# Altium PCB STB_LightBoard.PcbDoc (part 3 of 31)
Units mm, origin at the board's own origin, x right, y up, seen from the top; angles counter-clockwise.
Board outline 348 x 348 mm, 2 copper layers (Top Layer, Bottom Layer), stack 1.672 mm thick; 3807 components, 3391 nets, 11616 pads, 2553 vias.
Unrouted connection lines stored in the file: 68.
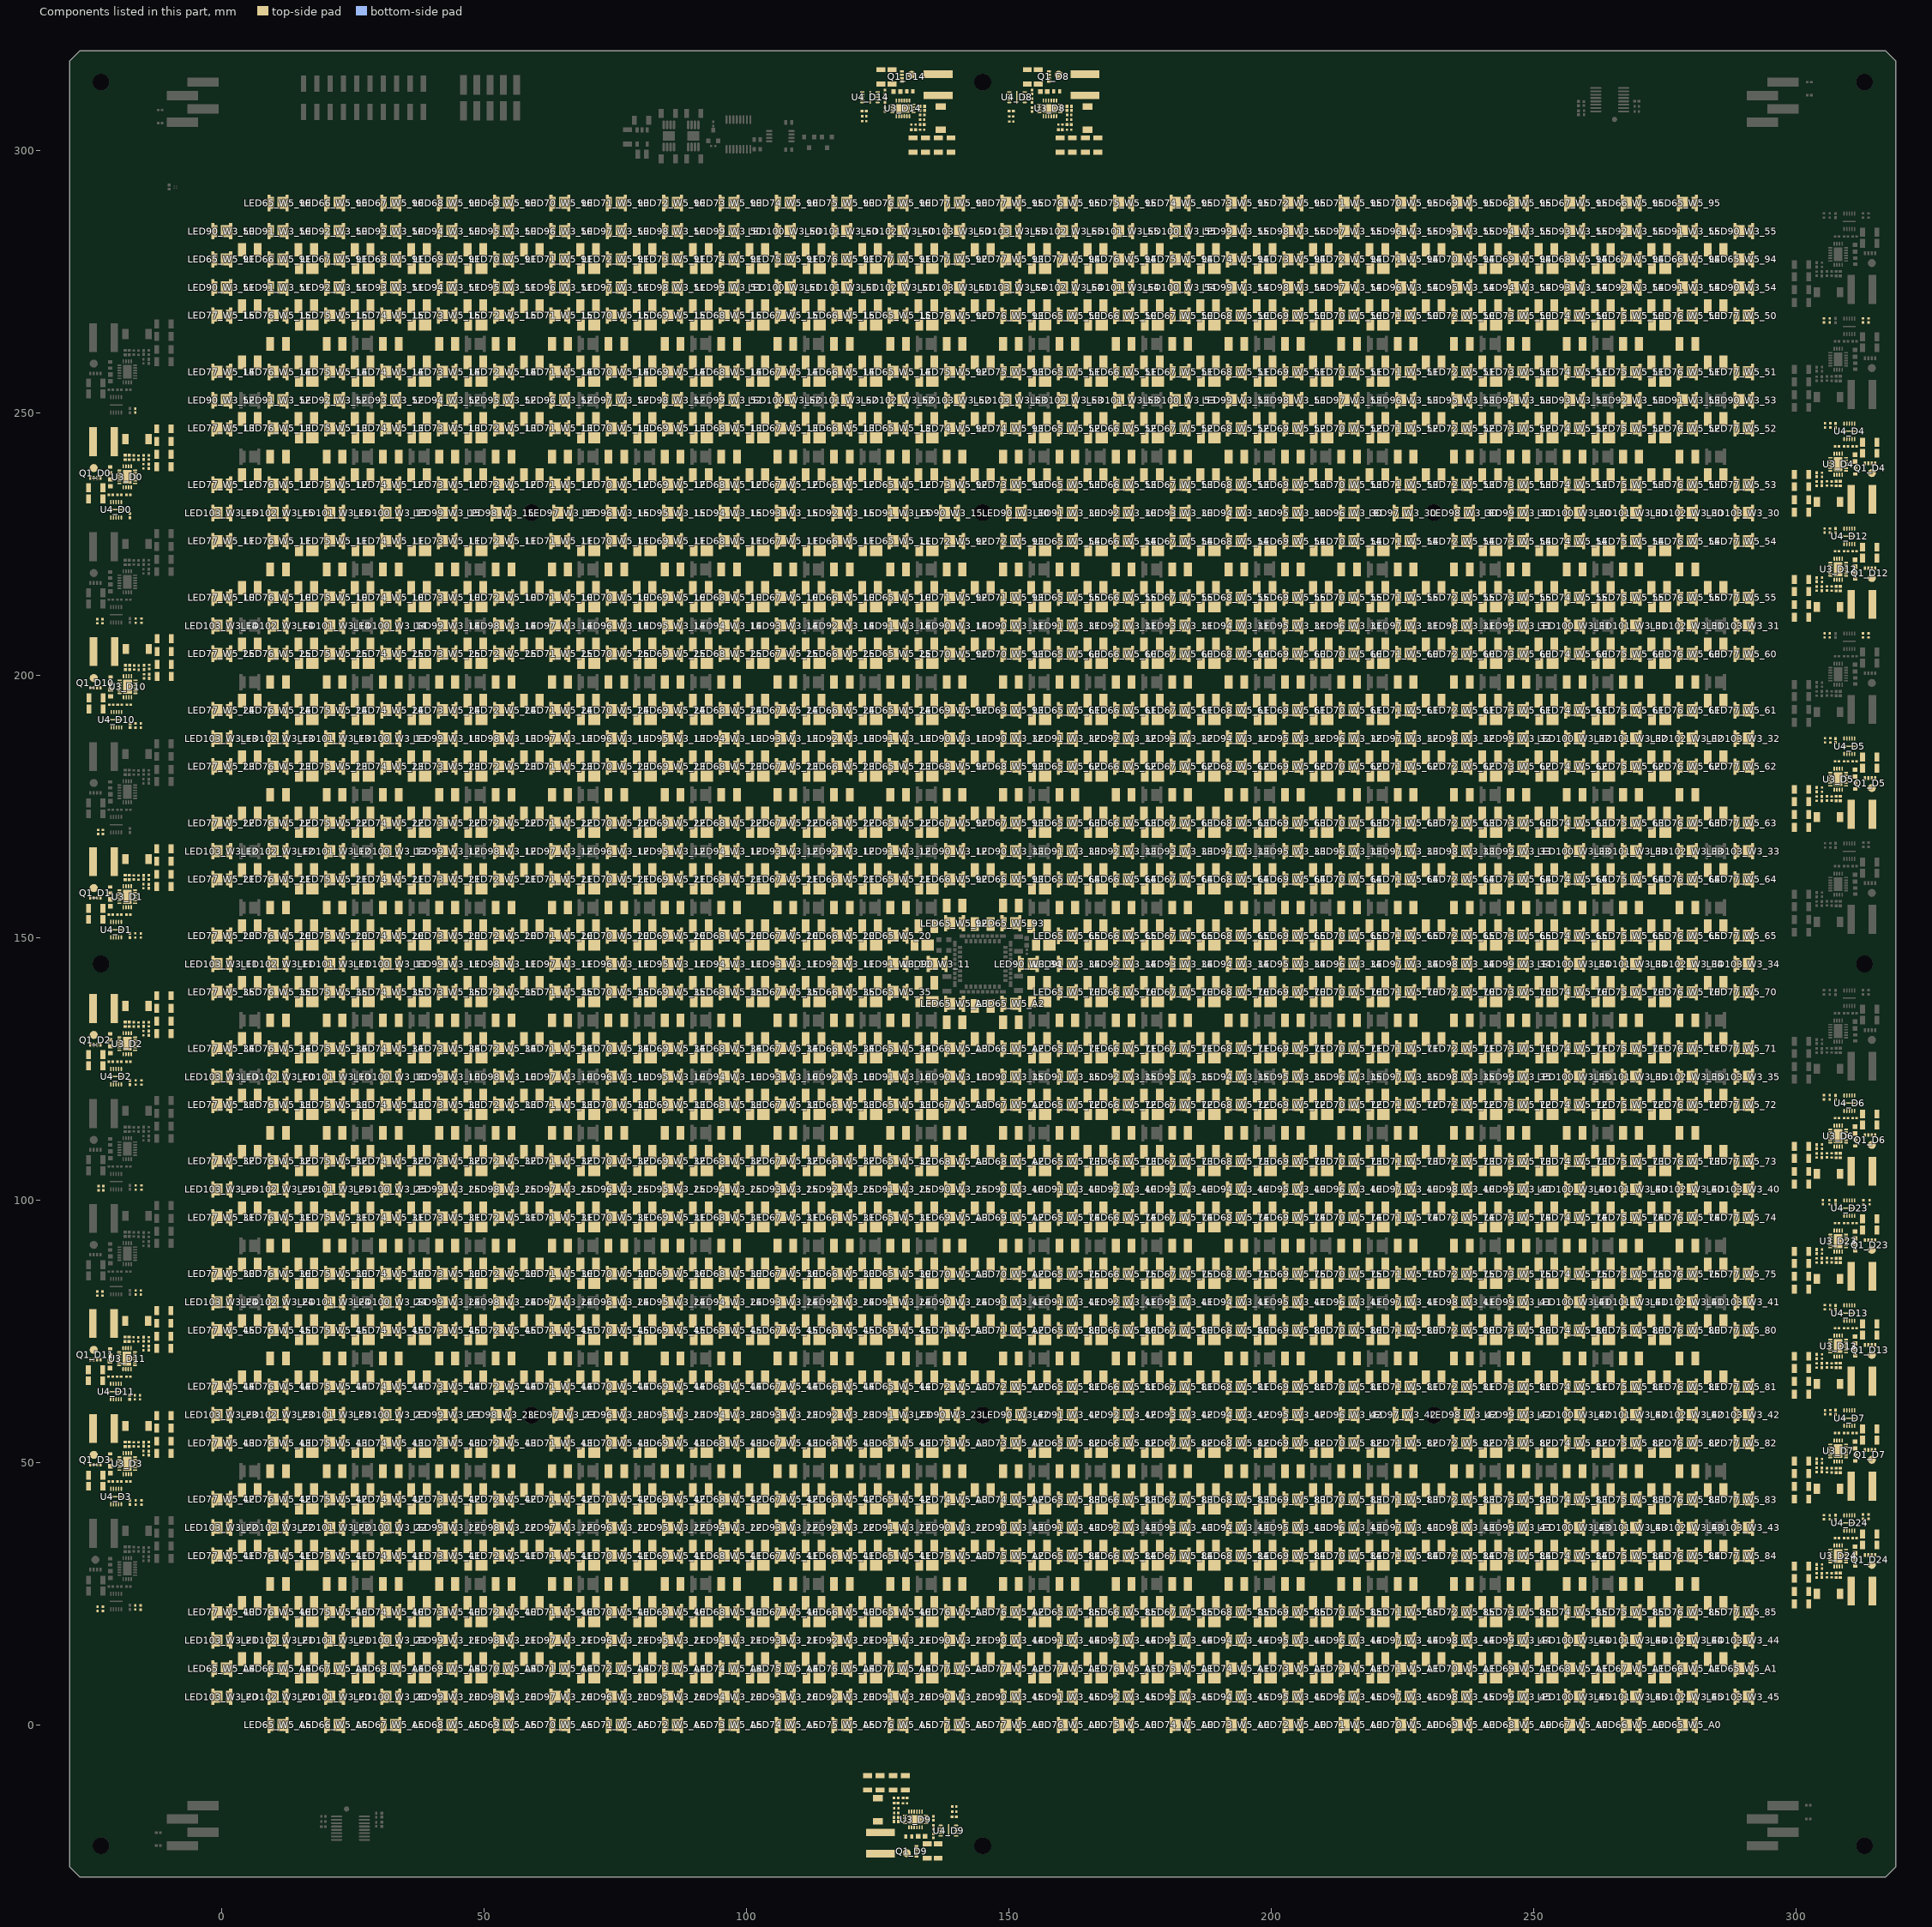
[diagram p3: the components of this part, seen from the top]

## Classes and differential pairs (continued)
net class LED: NetLED121_IR850_25_1 NetLED122_IR850_10_1 NetLED122_IR850_11_1 NetLED122_IR850_12_1 NetLED122_IR850_13_1 NetLED122_IR850_14_1 NetLED122_IR850_15_1 NetLED122_IR850_20_1 NetLED122_IR850_21_1 NetLED122_IR850_22_1 NetLED122_IR850_23_1 NetLED122_IR850_24_1 NetLED122_IR850_25_1 NetLED123_IR850_10_1 NetLED123_IR850_11_1 NetLED123_IR850_12_1 NetLED123_IR850_13_1 NetLED123_IR850_14_1 NetLED123_IR850_15_1 NetLED123_IR850_20_1 NetLED123_IR850_21_1 NetLED123_IR850_22_1 NetLED123_IR850_23_1 NetLED123_IR850_24_1 NetLED123_IR850_25_1 NetLED124_IR850_10_1 NetLED124_IR850_11_1 NetLED124_IR850_12_1 NetLED124_IR850_13_1 NetLED124_IR850_14_1 NetLED124_IR850_15_1 NetLED124_IR850_20_1 NetLED124_IR850_21_1 NetLED124_IR850_22_1 NetLED124_IR850_23_1 NetLED124_IR850_24_1 NetLED124_IR850_25_1 NetLED126_IR850_10_1 NetLED126_IR850_11_1 NetLED126_IR850_12_1 NetLED126_IR850_13_1 NetLED126_IR850_14_1 NetLED126_IR850_15_1 NetLED126_IR850_20_1 NetLED126_IR850_21_1 NetLED126_IR850_22_1 NetLED126_IR850_23_1 NetLED126_IR850_24_1 NetLED126_IR850_25_1 NetLED127_IR850_10_1 NetLED127_IR850_11_1 NetLED127_IR850_12_1 NetLED127_IR850_13_1 NetLED127_IR850_14_1 NetLED127_IR850_15_1 NetLED127_IR850_20_1 NetLED127_IR850_21_1 NetLED127_IR850_22_1 NetLED127_IR850_23_1 NetLED127_IR850_24_1 NetLED127_IR850_25_1 NetLED128_IR850_10_1 NetLED128_IR850_11_1 NetLED128_IR850_12_1 NetLED128_IR850_13_1 NetLED128_IR850_14_1 NetLED128_IR850_15_1 NetLED128_IR850_20_1 NetLED128_IR850_21_1 NetLED128_IR850_22_1 NetLED128_IR850_23_1 NetLED128_IR850_24_1 NetLED128_IR850_25_1 NetLED130_r_10_1 NetLED130_r_11_1 NetLED130_r_12_1 NetLED130_r_13_1 NetLED130_r_14_1 NetLED130_r_15_1 NetLED131_r_10_1 NetLED131_r_11_1 NetLED131_r_12_1 NetLED131_r_13_1 NetLED131_r_14_1 NetLED131_r_15_1 NetLED132_r_10_1 NetLED132_r_11_1 NetLED132_r_12_1 NetLED132_r_13_1 NetLED132_r_14_1 NetLED132_r_15_1 NetLED133_r_10_1 NetLED133_r_11_1 NetLED133_r_12_1 NetLED133_r_13_1 NetLED133_r_14_1 NetLED133_r_15_1 NetLED135_b_10_1 NetLED135_b_11_1 NetLED135_b_12_1 NetLED135_b_13_1 NetLED135_b_14_1 NetLED135_b_15_1 NetLED136_b_10_1 NetLED136_b_11_1 NetLED136_b_12_1 NetLED136_b_13_1 NetLED136_b_14_1 NetLED136_b_15_1 NetLED137_b_10_1 NetLED137_b_11_1 NetLED137_b_12_1 NetLED137_b_13_1 NetLED137_b_14_1 NetLED137_b_15_1 NetLED138_b_10_1 NetLED138_b_11_1 NetLED138_b_12_1 NetLED138_b_13_1 NetLED138_b_14_1 NetLED138_b_15_1 NetLED139_b_10_1 NetLED139_b_11_1 NetLED139_b_12_1 NetLED139_b_13_1 NetLED139_b_14_1 NetLED139_b_15_1 NetLED140_b_10_1 NetLED140_b_11_1 NetLED140_b_12_1 NetLED140_b_13_1 NetLED140_b_14_1 NetLED140_b_15_1 NetLED141_b_10_1 NetLED141_b_11_1 NetLED141_b_12_1 NetLED141_b_13_1 NetLED141_b_14_1 NetLED141_b_15_1 NetLED142_b_10_1 NetLED142_b_11_1 NetLED142_b_12_1 NetLED142_b_13_1 NetLED142_b_14_1 NetLED142_b_15_1 NetLED143_b_10_1 NetLED143_b_11_1 NetLED143_b_12_1 NetLED143_b_13_1 NetLED143_b_14_1 NetLED143_b_15_1 NetLED144_b_10_1 NetLED144_b_11_1 NetLED144_b_12_1 NetLED144_b_13_1 NetLED144_b_14_1 NetLED144_b_15_1 NetLED145_b_10_1 NetLED145_b_11_1 NetLED145_b_12_1 NetLED145_b_13_1 NetLED145_b_14_1 NetLED145_b_15_1 NetLED146_b_10_1 NetLED146_b_11_1 NetLED146_b_12_1 NetLED146_b_13_1 NetLED146_b_14_1 NetLED146_b_15_1 NetLED147_b_10_1 NetLED147_b_11_1 NetLED147_b_12_1 NetLED147_b_13_1 NetLED147_b_14_1 NetLED147_b_15_1
component class W5_65: LED65_W5_65 LED66_W5_65 LED67_W5_65 LED68_W5_65 LED69_W5_65 LED70_W5_65 LED71_W5_65 LED72_W5_65 LED73_W5_65 LED74_W5_65 LED75_W5_65 LED76_W5_65 LED77_W5_65
channel class LED_String_NF2W757GT-F1: W5_10 W5_11 W5_12 W5_13 W5_14 W5_15 W5_20 W5_21 W5_22 W5_23 W5_24 W5_25 W5_30 W5_31 W5_32 W5_33 W5_34 W5_35 W5_40 W5_41 W5_42 W5_43 W5_44 W5_45 W5_50 W5_51 W5_52 W5_53 W5_54 W5_55 W5_60 W5_61 W5_62 W5_63 W5_64 W5_65 W5_70 W5_71 W5_72 W5_73 W5_74 W5_75 W5_80 W5_81 W5_82 W5_83 W5_84 W5_85 W5_90 W5_91 W5_92 W5_93 W5_94 W5_95 W5_A0 W5_A1 W5_A2 W5_A3 W5_A4 W5_A5
channel class LED_String_NF2L757GT-F1: W3_10 W3_11 W3_12 W3_13 W3_14 W3_15 W3_20 W3_21 W3_22 W3_23 W3_24 W3_25 W3_30 W3_31 W3_32 W3_33 W3_34 W3_35 W3_40 W3_41 W3_42 W3_43 W3_44 W3_45 W3_50 W3_51 W3_52 W3_53 W3_54 W3_55
component class W5_A5: LED65_W5_A5 LED66_W5_A5 LED67_W5_A5 LED68_W5_A5 LED69_W5_A5 LED70_W5_A5 LED71_W5_A5 LED72_W5_A5 LED73_W5_A5 LED74_W5_A5 LED75_W5_A5 LED76_W5_A5 LED77_W5_A5
component class W5_A4: LED65_W5_A4 LED66_W5_A4 LED67_W5_A4 LED68_W5_A4 LED69_W5_A4 LED70_W5_A4 LED71_W5_A4 LED72_W5_A4 LED73_W5_A4 LED74_W5_A4 LED75_W5_A4 LED76_W5_A4 LED77_W5_A4
component class W5_A3: LED65_W5_A3 LED66_W5_A3 LED67_W5_A3 LED68_W5_A3 LED69_W5_A3 LED70_W5_A3 LED71_W5_A3 LED72_W5_A3 LED73_W5_A3 LED74_W5_A3 LED75_W5_A3 LED76_W5_A3 LED77_W5_A3
component class W5_A2: LED65_W5_A2 LED66_W5_A2 LED67_W5_A2 LED68_W5_A2 LED69_W5_A2 LED70_W5_A2 LED71_W5_A2 LED72_W5_A2 LED73_W5_A2 LED74_W5_A2 LED75_W5_A2 LED76_W5_A2 LED77_W5_A2
component class W5_A1: LED65_W5_A1 LED66_W5_A1 LED67_W5_A1 LED68_W5_A1 LED69_W5_A1 LED70_W5_A1 LED71_W5_A1 LED72_W5_A1 LED73_W5_A1 LED74_W5_A1 LED75_W5_A1 LED76_W5_A1 LED77_W5_A1
component class W5_A0: LED65_W5_A0 LED66_W5_A0 LED67_W5_A0 LED68_W5_A0 LED69_W5_A0 LED70_W5_A0 LED71_W5_A0 LED72_W5_A0 LED73_W5_A0 LED74_W5_A0 LED75_W5_A0 LED76_W5_A0 LED77_W5_A0
component class W5_15: LED65_W5_15 LED66_W5_15 LED67_W5_15 LED68_W5_15 LED69_W5_15 LED70_W5_15 LED71_W5_15 LED72_W5_15 LED73_W5_15 LED74_W5_15 LED75_W5_15 LED76_W5_15 LED77_W5_15
component class W5_95: LED65_W5_95 LED66_W5_95 LED67_W5_95 LED68_W5_95 LED69_W5_95 LED70_W5_95 LED71_W5_95 LED72_W5_95 LED73_W5_95 LED74_W5_95 LED75_W5_95 LED76_W5_95 LED77_W5_95
component class W5_94: LED65_W5_94 LED66_W5_94 LED67_W5_94 LED68_W5_94 LED69_W5_94 LED70_W5_94 LED71_W5_94 LED72_W5_94 LED73_W5_94 LED74_W5_94 LED75_W5_94 LED76_W5_94 LED77_W5_94
component class W5_93: LED65_W5_93 LED66_W5_93 LED67_W5_93 LED68_W5_93 LED69_W5_93 LED70_W5_93 LED71_W5_93 LED72_W5_93 LED73_W5_93 LED74_W5_93 LED75_W5_93 LED76_W5_93 LED77_W5_93
component class W5_92: LED65_W5_92 LED66_W5_92 LED67_W5_92 LED68_W5_92 LED69_W5_92 LED70_W5_92 LED71_W5_92 LED72_W5_92 LED73_W5_92 LED74_W5_92 LED75_W5_92 LED76_W5_92 LED77_W5_92
component class W5_91: LED65_W5_91 LED66_W5_91 LED67_W5_91 LED68_W5_91 LED69_W5_91 LED70_W5_91 LED71_W5_91 LED72_W5_91 LED73_W5_91 LED74_W5_91 LED75_W5_91 LED76_W5_91 LED77_W5_91
component class W5_90: LED65_W5_90 LED66_W5_90 LED67_W5_90 LED68_W5_90 LED69_W5_90 LED70_W5_90 LED71_W5_90 LED72_W5_90 LED73_W5_90 LED74_W5_90 LED75_W5_90 LED76_W5_90 LED77_W5_90
component class W5_85: LED65_W5_85 LED66_W5_85 LED67_W5_85 LED68_W5_85 LED69_W5_85 LED70_W5_85 LED71_W5_85 LED72_W5_85 LED73_W5_85 LED74_W5_85 LED75_W5_85 LED76_W5_85 LED77_W5_85
component class W5_84: LED65_W5_84 LED66_W5_84 LED67_W5_84 LED68_W5_84 LED69_W5_84 LED70_W5_84 LED71_W5_84 LED72_W5_84 LED73_W5_84 LED74_W5_84 LED75_W5_84 LED76_W5_84 LED77_W5_84
component class W5_83: LED65_W5_83 LED66_W5_83 LED67_W5_83 LED68_W5_83 LED69_W5_83 LED70_W5_83 LED71_W5_83 LED72_W5_83 LED73_W5_83 LED74_W5_83 LED75_W5_83 LED76_W5_83 LED77_W5_83
component class W5_82: LED65_W5_82 LED66_W5_82 LED67_W5_82 LED68_W5_82 LED69_W5_82 LED70_W5_82 LED71_W5_82 LED72_W5_82 LED73_W5_82 LED74_W5_82 LED75_W5_82 LED76_W5_82 LED77_W5_82
component class W5_81: LED65_W5_81 LED66_W5_81 LED67_W5_81 LED68_W5_81 LED69_W5_81 LED70_W5_81 LED71_W5_81 LED72_W5_81 LED73_W5_81 LED74_W5_81 LED75_W5_81 LED76_W5_81 LED77_W5_81
component class W5_80: LED65_W5_80 LED66_W5_80 LED67_W5_80 LED68_W5_80 LED69_W5_80 LED70_W5_80 LED71_W5_80 LED72_W5_80 LED73_W5_80 LED74_W5_80 LED75_W5_80 LED76_W5_80 LED77_W5_80
component class W5_75: LED65_W5_75 LED66_W5_75 LED67_W5_75 LED68_W5_75 LED69_W5_75 LED70_W5_75 LED71_W5_75 LED72_W5_75 LED73_W5_75 LED74_W5_75 LED75_W5_75 LED76_W5_75 LED77_W5_75
component class W5_74: LED65_W5_74 LED66_W5_74 LED67_W5_74 LED68_W5_74 LED69_W5_74 LED70_W5_74 LED71_W5_74 LED72_W5_74 LED73_W5_74 LED74_W5_74 LED75_W5_74 LED76_W5_74 LED77_W5_74
component class W5_73: LED65_W5_73 LED66_W5_73 LED67_W5_73 LED68_W5_73 LED69_W5_73 LED70_W5_73 LED71_W5_73 LED72_W5_73 LED73_W5_73 LED74_W5_73 LED75_W5_73 LED76_W5_73 LED77_W5_73
component class W5_72: LED65_W5_72 LED66_W5_72 LED67_W5_72 LED68_W5_72 LED69_W5_72 LED70_W5_72 LED71_W5_72 LED72_W5_72 LED73_W5_72 LED74_W5_72 LED75_W5_72 LED76_W5_72 LED77_W5_72
component class W5_71: LED65_W5_71 LED66_W5_71 LED67_W5_71 LED68_W5_71 LED69_W5_71 LED70_W5_71 LED71_W5_71 LED72_W5_71 LED73_W5_71 LED74_W5_71 LED75_W5_71 LED76_W5_71 LED77_W5_71
component class W5_70: LED65_W5_70 LED66_W5_70 LED67_W5_70 LED68_W5_70 LED69_W5_70 LED70_W5_70 LED71_W5_70 LED72_W5_70 LED73_W5_70 LED74_W5_70 LED75_W5_70 LED76_W5_70 LED77_W5_70
component class W5_64: LED65_W5_64 LED66_W5_64 LED67_W5_64 LED68_W5_64 LED69_W5_64 LED70_W5_64 LED71_W5_64 LED72_W5_64 LED73_W5_64 LED74_W5_64 LED75_W5_64 LED76_W5_64 LED77_W5_64
component class W5_63: LED65_W5_63 LED66_W5_63 LED67_W5_63 LED68_W5_63 LED69_W5_63 LED70_W5_63 LED71_W5_63 LED72_W5_63 LED73_W5_63 LED74_W5_63 LED75_W5_63 LED76_W5_63 LED77_W5_63
component class W5_62: LED65_W5_62 LED66_W5_62 LED67_W5_62 LED68_W5_62 LED69_W5_62 LED70_W5_62 LED71_W5_62 LED72_W5_62 LED73_W5_62 LED74_W5_62 LED75_W5_62 LED76_W5_62 LED77_W5_62
component class W5_61: LED65_W5_61 LED66_W5_61 LED67_W5_61 LED68_W5_61 LED69_W5_61 LED70_W5_61 LED71_W5_61 LED72_W5_61 LED73_W5_61 LED74_W5_61 LED75_W5_61 LED76_W5_61 LED77_W5_61
component class W5_60: LED65_W5_60 LED66_W5_60 LED67_W5_60 LED68_W5_60 LED69_W5_60 LED70_W5_60 LED71_W5_60 LED72_W5_60 LED73_W5_60 LED74_W5_60 LED75_W5_60 LED76_W5_60 LED77_W5_60
component class W5_55: LED65_W5_55 LED66_W5_55 LED67_W5_55 LED68_W5_55 LED69_W5_55 LED70_W5_55 LED71_W5_55 LED72_W5_55 LED73_W5_55 LED74_W5_55 LED75_W5_55 LED76_W5_55 LED77_W5_55
component class W5_54: LED65_W5_54 LED66_W5_54 LED67_W5_54 LED68_W5_54 LED69_W5_54 LED70_W5_54 LED71_W5_54 LED72_W5_54 LED73_W5_54 LED74_W5_54 LED75_W5_54 LED76_W5_54 LED77_W5_54
component class W5_53: LED65_W5_53 LED66_W5_53 LED67_W5_53 LED68_W5_53 LED69_W5_53 LED70_W5_53 LED71_W5_53 LED72_W5_53 LED73_W5_53 LED74_W5_53 LED75_W5_53 LED76_W5_53 LED77_W5_53
component class W5_52: LED65_W5_52 LED66_W5_52 LED67_W5_52 LED68_W5_52 LED69_W5_52 LED70_W5_52 LED71_W5_52 LED72_W5_52 LED73_W5_52 LED74_W5_52 LED75_W5_52 LED76_W5_52 LED77_W5_52
component class W5_51: LED65_W5_51 LED66_W5_51 LED67_W5_51 LED68_W5_51 LED69_W5_51 LED70_W5_51 LED71_W5_51 LED72_W5_51 LED73_W5_51 LED74_W5_51 LED75_W5_51 LED76_W5_51 LED77_W5_51
component class W5_50: LED65_W5_50 LED66_W5_50 LED67_W5_50 LED68_W5_50 LED69_W5_50 LED70_W5_50 LED71_W5_50 LED72_W5_50 LED73_W5_50 LED74_W5_50 LED75_W5_50 LED76_W5_50 LED77_W5_50
component class W5_45: LED65_W5_45 LED66_W5_45 LED67_W5_45 LED68_W5_45 LED69_W5_45 LED70_W5_45 LED71_W5_45 LED72_W5_45 LED73_W5_45 LED74_W5_45 LED75_W5_45 LED76_W5_45 LED77_W5_45
component class W5_44: LED65_W5_44 LED66_W5_44 LED67_W5_44 LED68_W5_44 LED69_W5_44 LED70_W5_44 LED71_W5_44 LED72_W5_44 LED73_W5_44 LED74_W5_44 LED75_W5_44 LED76_W5_44 LED77_W5_44
component class W5_43: LED65_W5_43 LED66_W5_43 LED67_W5_43 LED68_W5_43 LED69_W5_43 LED70_W5_43 LED71_W5_43 LED72_W5_43 LED73_W5_43 LED74_W5_43 LED75_W5_43 LED76_W5_43 LED77_W5_43
component class W5_42: LED65_W5_42 LED66_W5_42 LED67_W5_42 LED68_W5_42 LED69_W5_42 LED70_W5_42 LED71_W5_42 LED72_W5_42 LED73_W5_42 LED74_W5_42 LED75_W5_42 LED76_W5_42 LED77_W5_42
component class W5_41: LED65_W5_41 LED66_W5_41 LED67_W5_41 LED68_W5_41 LED69_W5_41 LED70_W5_41 LED71_W5_41 LED72_W5_41 LED73_W5_41 LED74_W5_41 LED75_W5_41 LED76_W5_41 LED77_W5_41
component class W5_40: LED65_W5_40 LED66_W5_40 LED67_W5_40 LED68_W5_40 LED69_W5_40 LED70_W5_40 LED71_W5_40 LED72_W5_40 LED73_W5_40 LED74_W5_40 LED75_W5_40 LED76_W5_40 LED77_W5_40
component class W5_35: LED65_W5_35 LED66_W5_35 LED67_W5_35 LED68_W5_35 LED69_W5_35 LED70_W5_35 LED71_W5_35 LED72_W5_35 LED73_W5_35 LED74_W5_35 LED75_W5_35 LED76_W5_35 LED77_W5_35
component class W5_34: LED65_W5_34 LED66_W5_34 LED67_W5_34 LED68_W5_34 LED69_W5_34 LED70_W5_34 LED71_W5_34 LED72_W5_34 LED73_W5_34 LED74_W5_34 LED75_W5_34 LED76_W5_34 LED77_W5_34
component class W5_33: LED65_W5_33 LED66_W5_33 LED67_W5_33 LED68_W5_33 LED69_W5_33 LED70_W5_33 LED71_W5_33 LED72_W5_33 LED73_W5_33 LED74_W5_33 LED75_W5_33 LED76_W5_33 LED77_W5_33
component class W5_32: LED65_W5_32 LED66_W5_32 LED67_W5_32 LED68_W5_32 LED69_W5_32 LED70_W5_32 LED71_W5_32 LED72_W5_32 LED73_W5_32 LED74_W5_32 LED75_W5_32 LED76_W5_32 LED77_W5_32
component class W5_31: LED65_W5_31 LED66_W5_31 LED67_W5_31 LED68_W5_31 LED69_W5_31 LED70_W5_31 LED71_W5_31 LED72_W5_31 LED73_W5_31 LED74_W5_31 LED75_W5_31 LED76_W5_31 LED77_W5_31
component class W5_30: LED65_W5_30 LED66_W5_30 LED67_W5_30 LED68_W5_30 LED69_W5_30 LED70_W5_30 LED71_W5_30 LED72_W5_30 LED73_W5_30 LED74_W5_30 LED75_W5_30 LED76_W5_30 LED77_W5_30
component class W5_25: LED65_W5_25 LED66_W5_25 LED67_W5_25 LED68_W5_25 LED69_W5_25 LED70_W5_25 LED71_W5_25 LED72_W5_25 LED73_W5_25 LED74_W5_25 LED75_W5_25 LED76_W5_25 LED77_W5_25
component class W5_24: LED65_W5_24 LED66_W5_24 LED67_W5_24 LED68_W5_24 LED69_W5_24 LED70_W5_24 LED71_W5_24 LED72_W5_24 LED73_W5_24 LED74_W5_24 LED75_W5_24 LED76_W5_24 LED77_W5_24
component class W5_23: LED65_W5_23 LED66_W5_23 LED67_W5_23 LED68_W5_23 LED69_W5_23 LED70_W5_23 LED71_W5_23 LED72_W5_23 LED73_W5_23 LED74_W5_23 LED75_W5_23 LED76_W5_23 LED77_W5_23
component class W5_22: LED65_W5_22 LED66_W5_22 LED67_W5_22 LED68_W5_22 LED69_W5_22 LED70_W5_22 LED71_W5_22 LED72_W5_22 LED73_W5_22 LED74_W5_22 LED75_W5_22 LED76_W5_22 LED77_W5_22
component class W5_21: LED65_W5_21 LED66_W5_21 LED67_W5_21 LED68_W5_21 LED69_W5_21 LED70_W5_21 LED71_W5_21 LED72_W5_21 LED73_W5_21 LED74_W5_21 LED75_W5_21 LED76_W5_21 LED77_W5_21
component class W5_20: LED65_W5_20 LED66_W5_20 LED67_W5_20 LED68_W5_20 LED69_W5_20 LED70_W5_20 LED71_W5_20 LED72_W5_20 LED73_W5_20 LED74_W5_20 LED75_W5_20 LED76_W5_20 LED77_W5_20
component class W5_14: LED65_W5_14 LED66_W5_14 LED67_W5_14 LED68_W5_14 LED69_W5_14 LED70_W5_14 LED71_W5_14 LED72_W5_14 LED73_W5_14 LED74_W5_14 LED75_W5_14 LED76_W5_14 LED77_W5_14
component class W5_13: LED65_W5_13 LED66_W5_13 LED67_W5_13 LED68_W5_13 LED69_W5_13 LED70_W5_13 LED71_W5_13 LED72_W5_13 LED73_W5_13 LED74_W5_13 LED75_W5_13 LED76_W5_13 LED77_W5_13
component class W5_12: LED65_W5_12 LED66_W5_12 LED67_W5_12 LED68_W5_12 LED69_W5_12 LED70_W5_12 LED71_W5_12 LED72_W5_12 LED73_W5_12 LED74_W5_12 LED75_W5_12 LED76_W5_12 LED77_W5_12
component class W5_11: LED65_W5_11 LED66_W5_11 LED67_W5_11 LED68_W5_11 LED69_W5_11 LED70_W5_11 LED71_W5_11 LED72_W5_11 LED73_W5_11 LED74_W5_11 LED75_W5_11 LED76_W5_11 LED77_W5_11
component class W5_10: LED65_W5_10 LED66_W5_10 LED67_W5_10 LED68_W5_10 LED69_W5_10 LED70_W5_10 LED71_W5_10 LED72_W5_10 LED73_W5_10 LED74_W5_10 LED75_W5_10 LED76_W5_10 LED77_W5_10
component class W3_55: LED90_W3_55 LED91_W3_55 LED92_W3_55 LED93_W3_55 LED94_W3_55 LED95_W3_55 LED96_W3_55 LED97_W3_55 LED98_W3_55 LED99_W3_55 LED100_W3_55 LED101_W3_55 LED102_W3_55 LED103_W3_55
component class W3_54: LED90_W3_54 LED91_W3_54 LED92_W3_54 LED93_W3_54 LED94_W3_54 LED95_W3_54 LED96_W3_54 LED97_W3_54 LED98_W3_54 LED99_W3_54 LED100_W3_54 LED101_W3_54 LED102_W3_54 LED103_W3_54
component class W3_53: LED90_W3_53 LED91_W3_53 LED92_W3_53 LED93_W3_53 LED94_W3_53 LED95_W3_53 LED96_W3_53 LED97_W3_53 LED98_W3_53 LED99_W3_53 LED100_W3_53 LED101_W3_53 LED102_W3_53 LED103_W3_53
component class W3_52: LED90_W3_52 LED91_W3_52 LED92_W3_52 LED93_W3_52 LED94_W3_52 LED95_W3_52 LED96_W3_52 LED97_W3_52 LED98_W3_52 LED99_W3_52 LED100_W3_52 LED101_W3_52 LED102_W3_52 LED103_W3_52
component class W3_51: LED90_W3_51 LED91_W3_51 LED92_W3_51 LED93_W3_51 LED94_W3_51 LED95_W3_51 LED96_W3_51 LED97_W3_51 LED98_W3_51 LED99_W3_51 LED100_W3_51 LED101_W3_51 LED102_W3_51 LED103_W3_51
component class W3_50: LED90_W3_50 LED91_W3_50 LED92_W3_50 LED93_W3_50 LED94_W3_50 LED95_W3_50 LED96_W3_50 LED97_W3_50 LED98_W3_50 LED99_W3_50 LED100_W3_50 LED101_W3_50 LED102_W3_50 LED103_W3_50
component class W3_45: LED90_W3_45 LED91_W3_45 LED92_W3_45 LED93_W3_45 LED94_W3_45 LED95_W3_45 LED96_W3_45 LED97_W3_45 LED98_W3_45 LED99_W3_45 LED100_W3_45 LED101_W3_45 LED102_W3_45 LED103_W3_45
component class W3_44: LED90_W3_44 LED91_W3_44 LED92_W3_44 LED93_W3_44 LED94_W3_44 LED95_W3_44 LED96_W3_44 LED97_W3_44 LED98_W3_44 LED99_W3_44 LED100_W3_44 LED101_W3_44 LED102_W3_44 LED103_W3_44
component class W3_43: LED90_W3_43 LED91_W3_43 LED92_W3_43 LED93_W3_43 LED94_W3_43 LED95_W3_43 LED96_W3_43 LED97_W3_43 LED98_W3_43 LED99_W3_43 LED100_W3_43 LED101_W3_43 LED102_W3_43 LED103_W3_43
component class W3_42: LED90_W3_42 LED91_W3_42 LED92_W3_42 LED93_W3_42 LED94_W3_42 LED95_W3_42 LED96_W3_42 LED97_W3_42 LED98_W3_42 LED99_W3_42 LED100_W3_42 LED101_W3_42 LED102_W3_42 LED103_W3_42
component class W3_41: LED90_W3_41 LED91_W3_41 LED92_W3_41 LED93_W3_41 LED94_W3_41 LED95_W3_41 LED96_W3_41 LED97_W3_41 LED98_W3_41 LED99_W3_41 LED100_W3_41 LED101_W3_41 LED102_W3_41 LED103_W3_41
component class W3_40: LED90_W3_40 LED91_W3_40 LED92_W3_40 LED93_W3_40 LED94_W3_40 LED95_W3_40 LED96_W3_40 LED97_W3_40 LED98_W3_40 LED99_W3_40 LED100_W3_40 LED101_W3_40 LED102_W3_40 LED103_W3_40
component class W3_35: LED90_W3_35 LED91_W3_35 LED92_W3_35 LED93_W3_35 LED94_W3_35 LED95_W3_35 LED96_W3_35 LED97_W3_35 LED98_W3_35 LED99_W3_35 LED100_W3_35 LED101_W3_35 LED102_W3_35 LED103_W3_35
component class W3_34: LED90_W3_34 LED91_W3_34 LED92_W3_34 LED93_W3_34 LED94_W3_34 LED95_W3_34 LED96_W3_34 LED97_W3_34 LED98_W3_34 LED99_W3_34 LED100_W3_34 LED101_W3_34 LED102_W3_34 LED103_W3_34
component class W3_33: LED90_W3_33 LED91_W3_33 LED92_W3_33 LED93_W3_33 LED94_W3_33 LED95_W3_33 LED96_W3_33 LED97_W3_33 LED98_W3_33 LED99_W3_33 LED100_W3_33 LED101_W3_33 LED102_W3_33 LED103_W3_33
component class W3_32: LED90_W3_32 LED91_W3_32 LED92_W3_32 LED93_W3_32 LED94_W3_32 LED95_W3_32 LED96_W3_32 LED97_W3_32 LED98_W3_32 LED99_W3_32 LED100_W3_32 LED101_W3_32 LED102_W3_32 LED103_W3_32
component class W3_31: LED90_W3_31 LED91_W3_31 LED92_W3_31 LED93_W3_31 LED94_W3_31 LED95_W3_31 LED96_W3_31 LED97_W3_31 LED98_W3_31 LED99_W3_31 LED100_W3_31 LED101_W3_31 LED102_W3_31 LED103_W3_31
component class W3_30: LED90_W3_30 LED91_W3_30 LED92_W3_30 LED93_W3_30 LED94_W3_30 LED95_W3_30 LED96_W3_30 LED97_W3_30 LED98_W3_30 LED99_W3_30 LED100_W3_30 LED101_W3_30 LED102_W3_30 LED103_W3_30
component class W3_25: LED90_W3_25 LED91_W3_25 LED92_W3_25 LED93_W3_25 LED94_W3_25 LED95_W3_25 LED96_W3_25 LED97_W3_25 LED98_W3_25 LED99_W3_25 LED100_W3_25 LED101_W3_25 LED102_W3_25 LED103_W3_25
component class W3_24: LED90_W3_24 LED91_W3_24 LED92_W3_24 LED93_W3_24 LED94_W3_24 LED95_W3_24 LED96_W3_24 LED97_W3_24 LED98_W3_24 LED99_W3_24 LED100_W3_24 LED101_W3_24 LED102_W3_24 LED103_W3_24
component class W3_23: LED90_W3_23 LED91_W3_23 LED92_W3_23 LED93_W3_23 LED94_W3_23 LED95_W3_23 LED96_W3_23 LED97_W3_23 LED98_W3_23 LED99_W3_23 LED100_W3_23 LED101_W3_23 LED102_W3_23 LED103_W3_23
component class W3_22: LED90_W3_22 LED91_W3_22 LED92_W3_22 LED93_W3_22 LED94_W3_22 LED95_W3_22 LED96_W3_22 LED97_W3_22 LED98_W3_22 LED99_W3_22 LED100_W3_22 LED101_W3_22 LED102_W3_22 LED103_W3_22
component class W3_21: LED90_W3_21 LED91_W3_21 LED92_W3_21 LED93_W3_21 LED94_W3_21 LED95_W3_21 LED96_W3_21 LED97_W3_21 LED98_W3_21 LED99_W3_21 LED100_W3_21 LED101_W3_21 LED102_W3_21 LED103_W3_21
component class W3_20: LED90_W3_20 LED91_W3_20 LED92_W3_20 LED93_W3_20 LED94_W3_20 LED95_W3_20 LED96_W3_20 LED97_W3_20 LED98_W3_20 LED99_W3_20 LED100_W3_20 LED101_W3_20 LED102_W3_20 LED103_W3_20
component class W3_15: LED90_W3_15 LED91_W3_15 LED92_W3_15 LED93_W3_15 LED94_W3_15 LED95_W3_15 LED96_W3_15 LED97_W3_15 LED98_W3_15 LED99_W3_15 LED100_W3_15 LED101_W3_15 LED102_W3_15 LED103_W3_15
component class W3_14: LED90_W3_14 LED91_W3_14 LED92_W3_14 LED93_W3_14 LED94_W3_14 LED95_W3_14 LED96_W3_14 LED97_W3_14 LED98_W3_14 LED99_W3_14 LED100_W3_14 LED101_W3_14 LED102_W3_14 LED103_W3_14
component class W3_13: LED90_W3_13 LED91_W3_13 LED92_W3_13 LED93_W3_13 LED94_W3_13 LED95_W3_13 LED96_W3_13 LED97_W3_13 LED98_W3_13 LED99_W3_13 LED100_W3_13 LED101_W3_13 LED102_W3_13 LED103_W3_13
component class W3_12: LED90_W3_12 LED91_W3_12 LED92_W3_12 LED93_W3_12 LED94_W3_12 LED95_W3_12 LED96_W3_12 LED97_W3_12 LED98_W3_12 LED99_W3_12 LED100_W3_12 LED101_W3_12 LED102_W3_12 LED103_W3_12
component class W3_11: LED90_W3_11 LED91_W3_11 LED92_W3_11 LED93_W3_11 LED94_W3_11 LED95_W3_11 LED96_W3_11 LED97_W3_11 LED98_W3_11 LED99_W3_11 LED100_W3_11 LED101_W3_11 LED102_W3_11 LED103_W3_11
component class W3_10: LED90_W3_10 LED91_W3_10 LED92_W3_10 LED93_W3_10 LED94_W3_10 LED95_W3_10 LED96_W3_10 LED97_W3_10 LED98_W3_10 LED99_W3_10 LED100_W3_10 LED101_W3_10 LED102_W3_10 LED103_W3_10
component class LW2: R12 R13 R14 R15 R16 R17 R18 R19 R20 R21
component class LW1: R22 R23 R24 R25 R26 R27 R28 R29 R30 R31 R32 R33 R34 R35 R36 R37 R38 R39
component class D14: C5_D14 C6_D14 C7_D14 C8_D14 C9_D14 C10_D14 C11_D14 C12_D14 C13_D14 C14_D14 C15_D14 C16_D14 C17_D14 D1_D14 L1_D14 Q1_D14 R54_D14 R55_D14 R56_D14 R57_D14 R58_D14 R59_D14 R60_D14 U3_D14 U4_D14